# KiCad board helios-panel.kicad_pcb (continued)
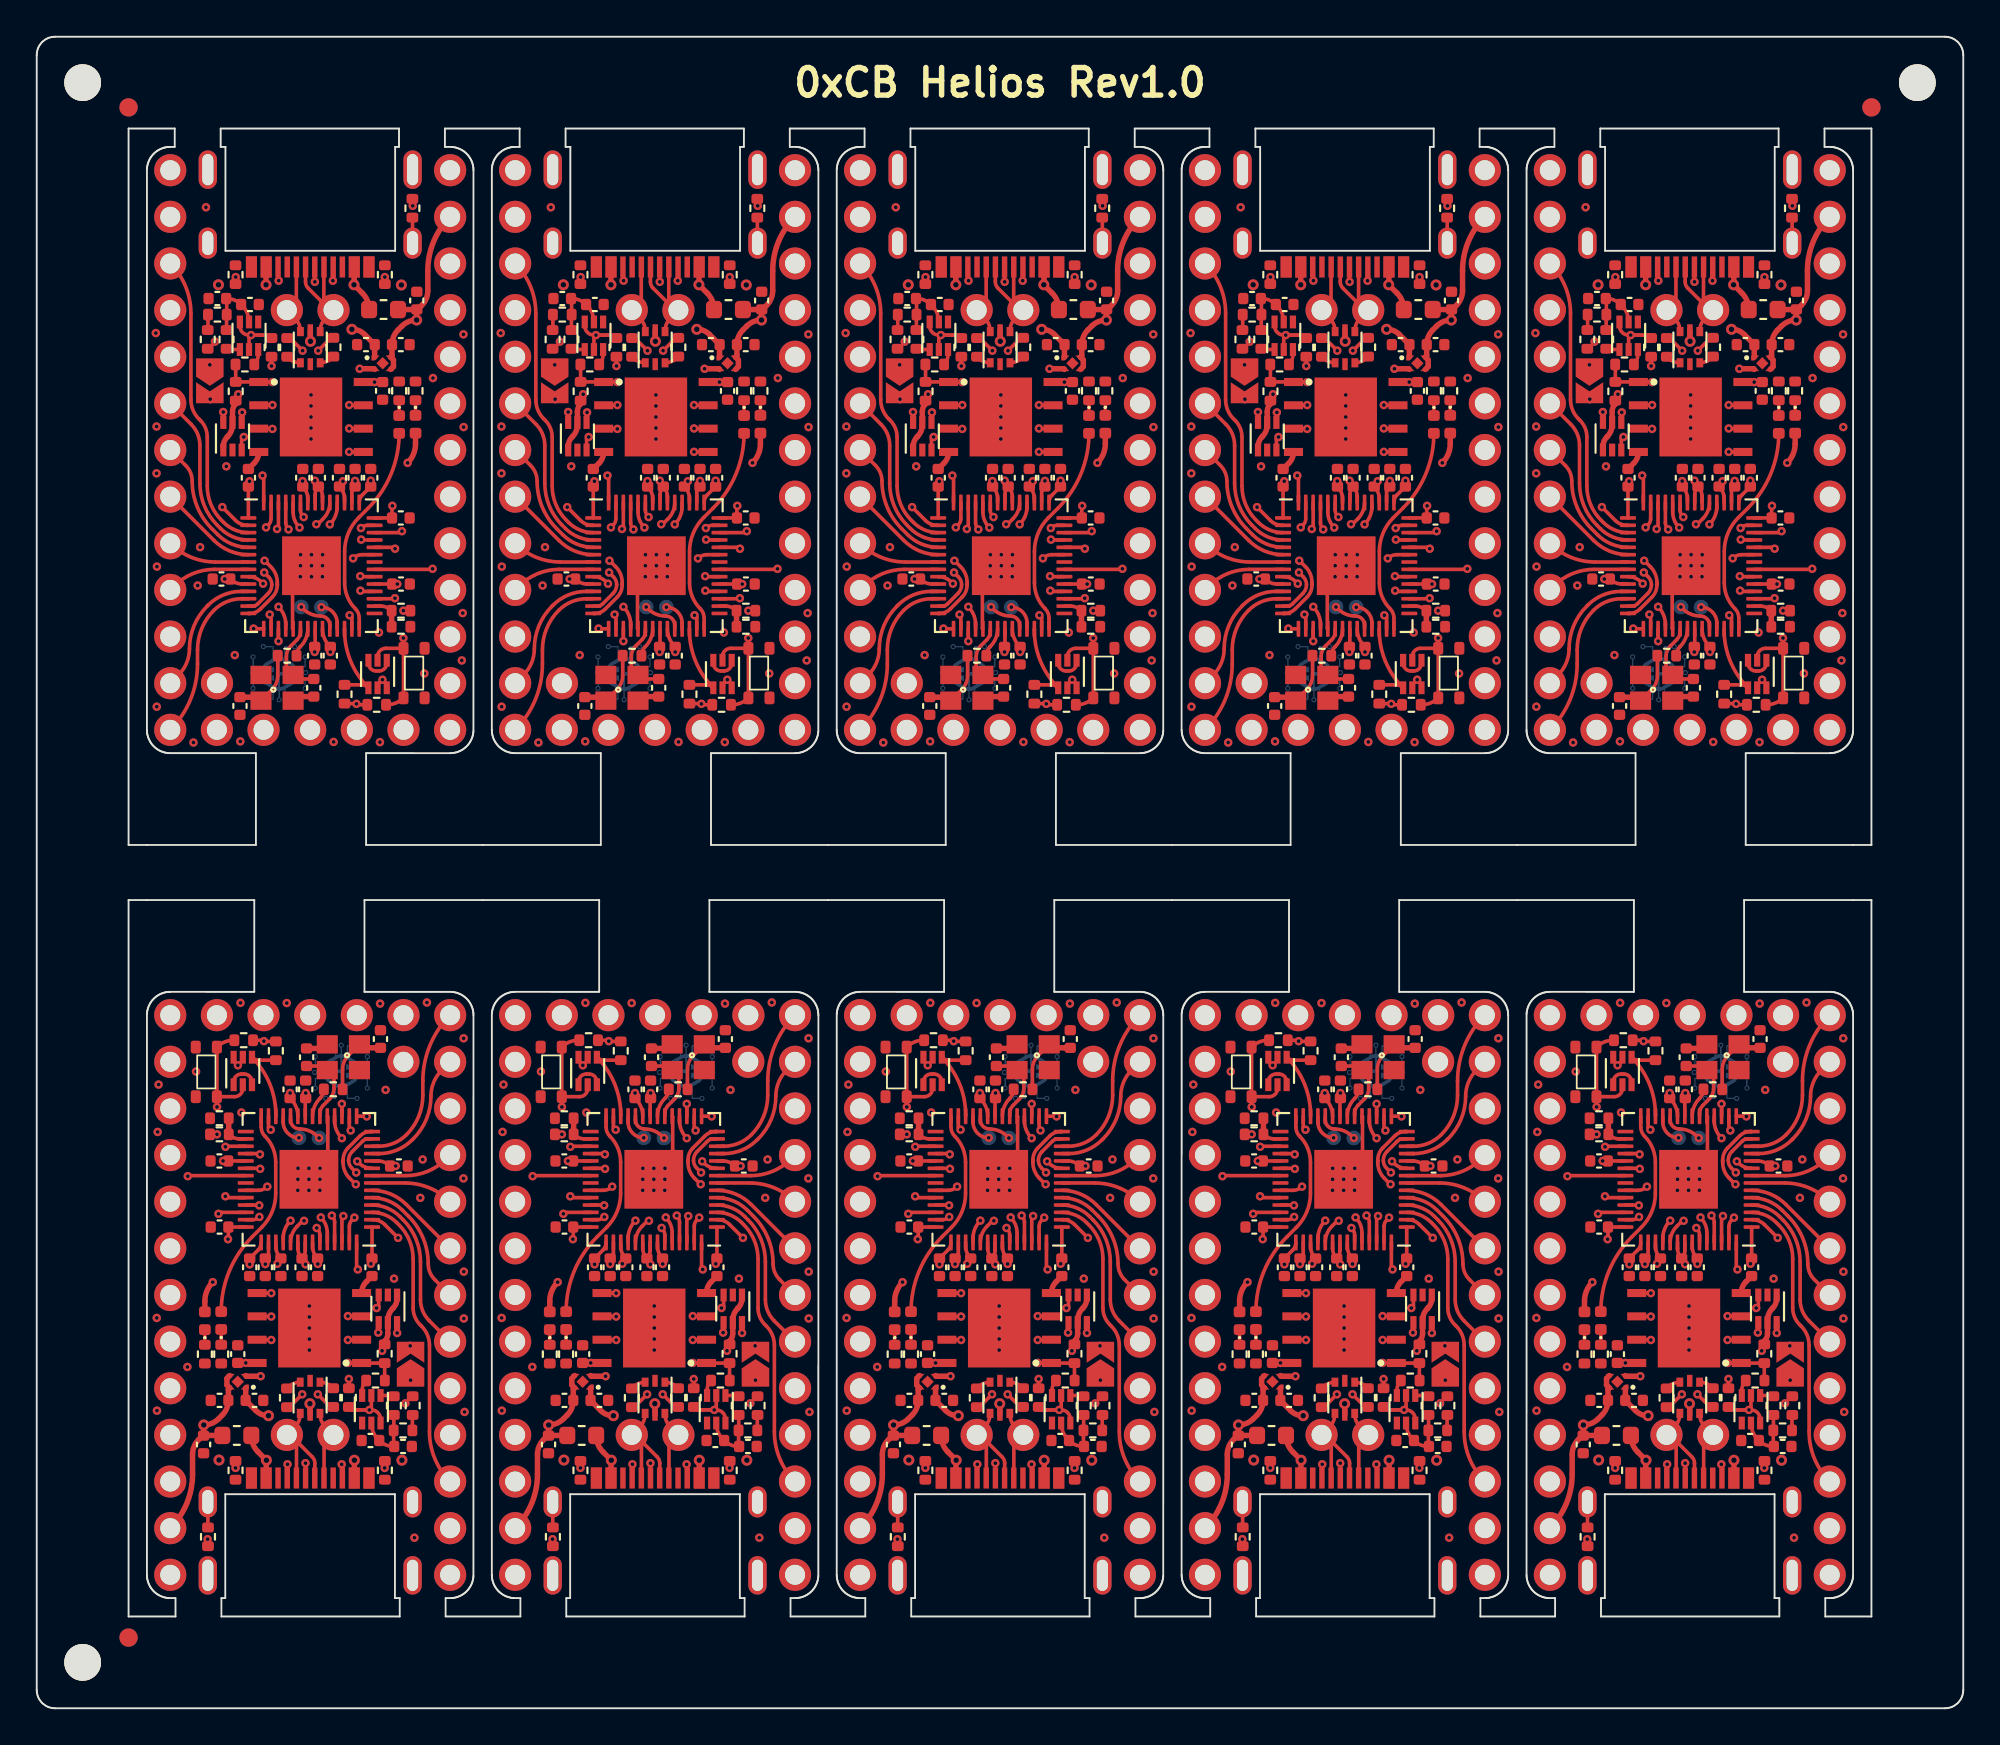
[diagram p0: board, top side]
## Copper pours and planes (outline as drawn; the poured copper is in the pictures) (continued)
Board_3-/PORT+ on In1.Cu: 71.21,77.38 71.06,77.24 70.92,77.15 70.79,77.09 70.67,77.06 70.54,77.05 70.41,77.05 70.28,77.05 70.13,77.05 69.97,77.04 69.78,77.01 69.61,75.88 70.74,75.76 70.82,75.94 70.87,76.1 70.91,76.25 70.96,76.52 70.99,76.65 71.03,76.79 71.1,76.93 71.21,77.07 71.35,77.24
Board_3-/PORT- on Top: 71.88,77.73 71.87,77.51 71.85,77.33 71.82,77.17 71.79,77.03 71.75,76.91 71.71,76.78 71.68,76.65 71.65,76.51 71.63,76.35 71.62,76.15 72.76,75.8 72.9,76.93 72.77,76.99 72.64,77.05 72.52,77.1 72.42,77.15 72.32,77.2 72.24,77.27 72.17,77.35 72.12,77.45 72.09,77.57 72.08,77.73
Board_3-/PORT- on Top: 71.1,77.22 71.25,77.06 71.35,76.91 71.42,76.77 71.47,76.64 71.5,76.51 71.55,76.23 71.59,76.08 71.64,75.92 71.72,75.74 72.85,75.89 72.66,77.01 72.48,77.04 72.32,77.04 72.17,77.04 72.04,77.04 71.91,77.04 71.78,77.05 71.66,77.08 71.53,77.14 71.39,77.23 71.24,77.36
Board_3-/PORT- on Top: 71.87,74.98 71.88,75.05 71.89,75.11 71.91,75.17 71.94,75.22 71.97,75.27 72,75.31 72.07,75.38 72.76,76.5 71.88,75.53 71.81,75.42 71.78,75.36 71.75,75.3 71.72,75.23 71.69,75.15 71.68,75.07 71.67,74.98
Board_3-/RESET on In2.Cu: 77.93,74.68 78.02,74.85 78.12,74.98 78.23,75.06 78.34,75.12 78.46,75.16 78.59,75.19 78.73,75.21 78.88,75.24 79.04,75.28 79.21,75.35 79.13,76.48 78,76.37 77.96,76.17 77.94,76 77.93,75.85 77.94,75.71 77.94,75.58 77.94,75.45 77.92,75.3 77.89,75.15 77.83,74.97 77.75,74.77
Board_3-/RGB_5V on In2.Cu: 66.44,57.57 66.34,57.37 66.24,57.21 66.14,57.09 66.04,56.98 65.94,56.89 65.84,56.8 65.74,56.7 65.63,56.59 65.53,56.46 65.41,56.29 66.11,55.39 66.98,56.12 66.91,56.29 66.83,56.43 66.75,56.56 66.68,56.68 66.61,56.79 66.56,56.9 66.53,57.02 66.52,57.16 66.55,57.31 66.62,57.49
Board_3-GND on Top, Bottom: 59.06,89.23 83.56,89.23 83.56,49.73 59.06,49.73
Board_3-Net-(C8-Pad2) on Top: 67.58,54.92 67.68,54.92 67.76,54.9 67.83,54.88 67.89,54.85 67.94,54.82 67.98,54.77 68.03,54.72 68.12,54.61 68.18,54.54 68.78,54.79 68.52,55.38 68.4,55.37 68.31,55.35 68.22,55.33 68.15,55.31 68.07,55.29 68,55.27 67.91,55.25 67.82,55.23 67.71,55.22 67.58,55.22
Board_3-Net-(C8-Pad2) on Top: 69.31,55.93 69.26,55.79 69.19,55.69 69.12,55.61 69.04,55.55 68.95,55.51 68.86,55.47 68.75,55.45 68.64,55.42 68.52,55.39 68.39,55.35 68.37,54.7 69.02,54.72 69.07,54.86 69.12,54.98 69.17,55.08 69.21,55.18 69.3,55.36 69.34,55.46 69.39,55.57 69.45,55.7 69.5,55.87
Board_3-Net-(FB1-Pad1) on Top: 76.7,80.79 76.69,80.68 76.68,80.58 76.66,80.5 76.62,80.43 76.59,80.37 76.54,80.31 76.5,80.25 76.45,80.18 76.4,80.11 76.35,80.01 76.81,79.55 77.25,80.02 77.2,80.11 77.15,80.19 77.1,80.26 77.06,80.31 77.01,80.37 76.98,80.43 76.95,80.5 76.92,80.58 76.91,80.68 76.9,80.79
Board_4-+3V3 on In1.Cu, In2.Cu: 76.84,88.23 101.34,88.23 101.34,48.73 76.84,48.73
Board_4-+5V on Top: 96.82,79.71 96.9,79.88 96.99,80.01 97.08,80.11 97.19,80.17 97.3,80.22 97.42,80.26 97.55,80.29 97.69,80.32 97.84,80.37 98,80.44 97.91,81.57 96.78,81.43 96.74,81.23 96.72,81.07 96.71,80.92 96.71,80.78 96.71,80.65 96.7,80.51 96.69,80.37 96.66,80.21 96.62,80.03 96.54,79.82
Board_4-/0_TX0 on In1.Cu: 83.2,79.65 83.11,79.82 83.05,79.98 83.03,80.12 83.03,80.26 83.06,80.38 83.1,80.51 83.14,80.65 83.19,80.8 83.23,80.96 83.26,81.15 82.24,81.64 81.78,80.6 81.93,80.46 82.07,80.36 82.2,80.28 82.44,80.14 82.55,80.06 82.67,79.97 82.79,79.86 82.91,79.72 83.04,79.54
Board_4-/1_RX0 on Top: 83.4,77.24 83.34,77.46 83.3,77.65 83.28,77.81 83.28,77.95 83.29,78.09 83.29,78.22 83.3,78.36 83.3,78.51 83.28,78.68 83.25,78.88 82.12,79.03 82.01,77.9 82.17,77.83 82.33,77.79 82.48,77.75 82.61,77.72 82.74,77.69 82.86,77.64 82.96,77.58 83.06,77.48 83.14,77.35 83.22,77.18
Board_4-/2_SDA1 on Top: 84.05,69.21 83.97,69.5 83.89,69.74 83.8,69.95 83.72,70.13 83.63,70.29 83.55,70.45 83.47,70.62 83.39,70.8 83.31,71.02 83.24,71.29 82.08,71.38 82.1,70.24 82.35,70.17 82.59,70.11 82.82,70.06 83.02,70.02 83.21,69.96 83.38,69.88 83.53,69.77 83.66,69.62 83.77,69.42 83.86,69.16
Board_4-/3_SCL1 on Top: 83.68,66.92 83.66,67.15 83.62,67.35 83.58,67.51 83.52,67.66 83.47,67.79 83.42,67.92 83.37,68.06 83.32,68.21 83.29,68.38 83.26,68.59 82.08,68.84 82.1,67.7 82.3,67.65 82.5,67.61 82.68,67.58 82.86,67.55 83.02,67.51 83.17,67.46 83.29,67.38 83.38,67.27 83.45,67.11 83.48,66.91
Board_4-/4 on Top: 83.7,64.83 83.56,64.98 83.46,65.12 83.4,65.26 83.36,65.39 83.34,65.51 83.33,65.65 83.32,65.78 83.3,65.93 83.27,66.1 83.22,66.28 82.08,66.3 82.1,65.16 82.28,65.11 82.45,65.08 82.6,65.06 82.73,65.05 82.87,65.04 82.99,65.02 83.12,64.98 83.26,64.92 83.4,64.82 83.55,64.68
Board_4-/5 on Top: 83.91,62.66 83.74,62.73 83.61,62.81 83.51,62.9 83.44,63 83.4,63.12 83.36,63.24 83.33,63.38 83.29,63.52 83.24,63.68 83.18,63.84 82.04,63.72 82.21,62.59 82.41,62.56 82.58,62.54 82.73,62.54 82.87,62.55 83,62.56 83.14,62.57 83.29,62.57 83.45,62.56 83.64,62.53 83.86,62.47
Board_4-/6 on Top: 83.8,61.97 83.59,61.91 83.4,61.87 83.24,61.85 83.1,61.84 82.97,61.84 82.83,61.84 82.7,61.83 82.55,61.82 82.38,61.8 82.18,61.76 82.05,60.63 83.19,60.55 83.25,60.71 83.29,60.87 83.32,61.02 83.35,61.16 83.37,61.3 83.41,61.42 83.47,61.53 83.56,61.62 83.69,61.71 83.87,61.78
Board_4-/7 on In2.Cu: 84.08,58.76 83.89,58.7 83.73,58.69 83.6,58.7 83.47,58.74 83.36,58.8 83.25,58.87 83.14,58.95 83.01,59.03 82.87,59.11 82.7,59.19 81.95,58.33 82.84,57.62 83,57.72 83.14,57.83 83.25,57.93 83.34,58.03 83.44,58.13 83.53,58.22 83.64,58.31 83.78,58.4 83.94,58.49 84.15,58.57
Board_4-/8 on Top: 83.29,57.28 83.23,57.1 83.15,56.97 83.06,56.88 82.95,56.83 82.82,56.79 82.69,56.77 82.54,56.75 82.39,56.73 82.22,56.7 82.05,56.64 82.1,55.5 83.24,55.63 83.28,55.83 83.31,55.99 83.33,56.14 83.34,56.27 83.37,56.53 83.38,56.67 83.4,56.83 83.43,57.01 83.48,57.23
Board_4-/9 on Top: 83.3,54.76 83.21,54.59 83.11,54.47 83,54.38 82.89,54.32 82.77,54.28 82.64,54.25 82.51,54.23 82.36,54.2 82.2,54.15 82.03,54.09 82.11,52.95 83.24,53.07 83.28,53.27 83.3,53.44 83.31,53.59 83.3,53.73 83.3,53.86 83.3,54 83.31,54.14 83.34,54.3 83.4,54.47 83.48,54.68
Board_4-/10 on In2.Cu: 83.44,82.35 83.36,82.56 83.32,82.74 83.3,82.9 83.29,83.04 83.29,83.18 83.3,83.31 83.3,83.45 83.3,83.6 83.28,83.77 83.24,83.97 82.11,84.11 82.02,82.98 82.18,82.91 82.34,82.86 82.49,82.83 82.62,82.8 82.75,82.77 82.87,82.73 82.98,82.67 83.08,82.57 83.17,82.45 83.25,82.27
Board_4-/11 on In1.Cu: 96.78,82.27 96.86,82.44 96.95,82.57 97.05,82.66 97.15,82.73 97.27,82.77 97.4,82.8 97.54,82.83 97.68,82.86 97.84,82.91 98,82.98 97.91,84.11 96.78,83.97 96.74,83.77 96.72,83.6 96.72,83.45 96.72,83.31 96.73,83.18 96.73,83.04 96.73,82.9 96.71,82.74 96.66,82.55 96.59,82.34
Board_4-/12 on In1.Cu: 85.91,54.73 85.8,54.56 85.69,54.44 85.58,54.36 85.46,54.31 85.34,54.27 85.21,54.25 85.07,54.23 84.92,54.2 84.76,54.16 84.59,54.1 84.64,52.96 85.77,53.06 85.82,53.25 85.84,53.42 85.85,53.57 85.85,53.84 85.86,53.97 85.88,54.11 85.92,54.26 85.98,54.43 86.09,54.63
Board_4-/13 on In1.Cu: 87.37,55.04 87.36,54.83 87.33,54.66 87.28,54.52 87.21,54.4 87.14,54.3 87.05,54.2 86.96,54.09 86.87,53.97 86.77,53.84 86.68,53.67 87.47,52.85 88.26,53.67 88.17,53.84 88.07,53.97 87.98,54.09 87.89,54.2 87.8,54.3 87.73,54.4 87.66,54.52 87.61,54.66 87.58,54.83 87.57,55.04
Board_4-/14 on In1.Cu: 88.88,54.65 88.98,54.45 89.04,54.28 89.07,54.12 89.09,53.98 89.1,53.85 89.09,53.72 89.09,53.58 89.1,53.43 89.12,53.26 89.16,53.06 90.3,52.96 90.36,54.09 90.19,54.16 90.03,54.2 89.88,54.23 89.74,54.25 89.61,54.27 89.49,54.31 89.38,54.37 89.27,54.45 89.16,54.58 89.06,54.74
Board_4-/15 on In1.Cu: 91.24,54.45 91.38,54.3 91.48,54.16 91.54,54.02 91.58,53.89 91.6,53.77 91.61,53.63 91.62,53.5 91.64,53.35 91.67,53.18 91.72,53 92.86,52.98 92.84,54.12 92.66,54.17 92.49,54.2 92.34,54.22 92.21,54.23 92.07,54.24 91.95,54.26 91.82,54.3 91.68,54.36 91.54,54.46 91.39,54.6
Board_4-/16 on In1.Cu: 93.8,54.51 93.93,54.34 94.02,54.18 94.08,54.04 94.11,53.9 94.13,53.77 94.14,53.64 94.15,53.5 94.17,53.36 94.21,53.19 94.26,53 95.4,52.98 95.38,54.12 95.2,54.17 95.03,54.2 94.88,54.21 94.74,54.22 94.61,54.24 94.48,54.26 94.35,54.3 94.23,54.37 94.1,54.48 93.96,54.63
Board_4-/20_SDI on In1.Cu: 96.32,59.53 96.46,59.38 96.56,59.24 96.62,59.1 96.66,58.97 96.68,58.85 96.69,58.71 96.7,58.58 96.72,58.43 96.75,58.26 96.8,58.08 97.94,58.06 97.92,59.2 97.74,59.25 97.57,59.28 97.42,59.3 97.29,59.31 97.15,59.32 97.03,59.34 96.9,59.38 96.76,59.44 96.62,59.54 96.47,59.68
Board_4-/21_CS on In1.Cu: 96.32,54.45 96.46,54.3 96.56,54.16 96.62,54.02 96.66,53.89 96.68,53.77 96.69,53.63 96.7,53.5 96.72,53.35 96.75,53.18 96.8,53 97.94,52.98 97.92,54.12 97.74,54.17 97.57,54.2 97.42,54.22 97.29,54.23 97.15,54.24 97.03,54.26 96.9,54.3 96.76,54.36 96.62,54.46 96.47,54.6
Board_4-/22_SCK on In1.Cu: 96.07,61.58 96.25,61.54 96.38,61.48 96.48,61.4 96.55,61.31 96.61,61.2 96.65,61.08 96.69,60.94 96.73,60.8 96.79,60.65 96.86,60.49 97.99,60.65 97.75,61.78 97.55,61.8 97.38,61.81 97.23,61.8 97.09,61.79 96.82,61.76 96.68,61.75 96.51,61.74 96.32,61.75 96.1,61.78
Board_4-/23_SDO on In2.Cu: 96.59,57.26 96.65,57.04 96.68,56.86 96.7,56.69 96.71,56.55 96.71,56.41 96.71,56.28 96.71,56.14 96.72,55.99 96.74,55.82 96.78,55.63 97.91,55.49 98,56.62 97.83,56.69 97.68,56.73 97.53,56.76 97.39,56.79 97.26,56.82 97.14,56.86 97.03,56.92 96.93,57.01 96.85,57.14 96.78,57.32
Board_4-/A0 on In1.Cu: 95.92,63.06 96.15,63.04 96.34,63.01 96.5,62.97 96.64,62.91 96.76,62.85 96.89,62.78 97.02,62.72 97.16,62.66 97.33,62.61 97.53,62.58 98.04,63.6 97.01,64.07 96.89,63.94 96.8,63.82 96.64,63.6 96.56,63.5 96.47,63.42 96.37,63.35 96.25,63.3 96.11,63.27 95.92,63.26
Board_4-/A1 on In1.Cu: 96.47,64.68 96.62,64.82 96.76,64.92 96.9,64.98 97.03,65.02 97.15,65.04 97.29,65.05 97.42,65.06 97.57,65.08 97.74,65.11 97.92,65.16 97.94,66.3 96.8,66.28 96.75,66.1 96.72,65.93 96.7,65.78 96.69,65.65 96.68,65.51 96.66,65.39 96.62,65.26 96.56,65.12 96.46,64.98 96.32,64.83
Board_4-/A2 on In1.Cu: 96.47,67.22 96.62,67.36 96.76,67.46 96.9,67.52 97.03,67.56 97.15,67.58 97.29,67.59 97.42,67.6 97.57,67.62 97.74,67.65 97.92,67.7 97.94,68.84 96.8,68.82 96.75,68.64 96.72,68.47 96.7,68.32 96.69,68.19 96.68,68.05 96.66,67.93 96.62,67.8 96.56,67.66 96.46,67.52 96.32,67.37
Board_4-/A3 on In1.Cu: 96.48,69.42 96.53,69.64 96.61,69.8 96.71,69.91 96.83,69.99 96.98,70.05 97.14,70.08 97.32,70.11 97.51,70.14 97.71,70.18 97.92,70.24 97.94,71.38 96.76,71.19 96.72,70.98 96.68,70.79 96.63,70.64 96.58,70.49 96.53,70.36 96.47,70.22 96.42,70.07 96.37,69.9 96.32,69.69 96.28,69.45
Board_4-/PORT+ on Top: 89.58,74.98 89.57,75.07 89.55,75.15 89.53,75.23 89.5,75.3 89.47,75.36 89.43,75.42 89.36,75.53 88.47,76.5 89.18,75.39 89.25,75.31 89.28,75.27 89.31,75.22 89.34,75.17 89.36,75.11 89.37,75.05 89.38,74.98
Board_4-/PORT+ on Top: 89.16,77.74 89.14,77.58 89.11,77.46 89.06,77.35 88.99,77.27 88.91,77.2 88.81,77.15 88.7,77.1 88.58,77.04 88.46,76.99 88.32,76.92 88.48,75.79 89.62,76.15 89.61,76.35 89.59,76.51 89.56,76.66 89.52,76.79 89.49,76.91 89.45,77.04 89.41,77.18 89.38,77.33 89.36,77.52 89.36,77.74
Board_4-/PORT+ on In1.Cu: 89.99,77.38 89.84,77.24 89.7,77.15 89.57,77.09 89.45,77.06 89.32,77.05 89.19,77.05 89.06,77.05 88.91,77.05 88.75,77.04 88.56,77.01 88.39,75.88 89.52,75.76 89.6,75.94 89.65,76.1 89.69,76.25 89.74,76.52 89.77,76.65 89.81,76.79 89.88,76.93 89.99,77.07 90.13,77.24
Board_4-/PORT- on Top: 90.66,77.73 90.65,77.51 90.63,77.33 90.6,77.17 90.57,77.03 90.53,76.91 90.49,76.78 90.46,76.65 90.43,76.51 90.41,76.35 90.4,76.15 91.54,75.8 91.68,76.93 91.55,76.99 91.42,77.05 91.3,77.1 91.2,77.15 91.1,77.2 91.02,77.27 90.95,77.35 90.9,77.45 90.87,77.57 90.86,77.73
Board_4-/PORT- on Top: 89.88,77.22 90.03,77.06 90.13,76.91 90.2,76.77 90.25,76.64 90.28,76.51 90.33,76.23 90.37,76.08 90.42,75.92 90.5,75.74 91.63,75.89 91.44,77.01 91.26,77.04 91.1,77.04 90.95,77.04 90.82,77.04 90.69,77.04 90.56,77.05 90.44,77.08 90.31,77.14 90.17,77.23 90.02,77.36
Board_4-/PORT- on Top: 90.65,74.98 90.66,75.05 90.67,75.11 90.69,75.17 90.72,75.22 90.75,75.27 90.78,75.31 90.85,75.38 91.54,76.5 90.66,75.53 90.59,75.42 90.56,75.36 90.53,75.3 90.5,75.23 90.47,75.15 90.46,75.07 90.45,74.98
Board_4-/RESET on In2.Cu: 96.71,74.68 96.8,74.85 96.9,74.98 97.01,75.06 97.12,75.12 97.24,75.16 97.37,75.19 97.51,75.21 97.66,75.24 97.82,75.28 97.99,75.35 97.91,76.48 96.78,76.37 96.74,76.17 96.72,76 96.71,75.85 96.72,75.71 96.72,75.58 96.72,75.45 96.7,75.3 96.67,75.15 96.61,74.97 96.53,74.77
Board_4-/RGB_5V on In2.Cu: 85.22,57.57 85.12,57.37 85.02,57.21 84.92,57.09 84.82,56.98 84.72,56.89 84.62,56.8 84.52,56.7 84.41,56.59 84.31,56.46 84.19,56.29 84.89,55.39 85.76,56.12 85.69,56.29 85.61,56.43 85.53,56.56 85.46,56.68 85.39,56.79 85.34,56.9 85.31,57.02 85.3,57.16 85.33,57.31 85.4,57.49
Board_4-GND on Top, Bottom: 77.84,89.23 102.34,89.23 102.34,49.73 77.84,49.73
Board_4-Net-(C8-Pad2) on Top: 86.36,54.92 86.46,54.92 86.54,54.9 86.61,54.88 86.67,54.85 86.72,54.82 86.76,54.77 86.81,54.72 86.9,54.61 86.96,54.54 87.56,54.79 87.3,55.38 87.18,55.37 87.09,55.35 87,55.33 86.93,55.31 86.85,55.29 86.78,55.27 86.69,55.25 86.6,55.23 86.49,55.22 86.36,55.22
Board_4-Net-(C8-Pad2) on Top: 88.09,55.93 88.04,55.79 87.97,55.69 87.9,55.61 87.82,55.55 87.73,55.51 87.64,55.47 87.53,55.45 87.42,55.42 87.3,55.39 87.17,55.35 87.15,54.7 87.8,54.72 87.85,54.86 87.9,54.98 87.95,55.08 87.99,55.18 88.08,55.36 88.12,55.46 88.17,55.57 88.23,55.7 88.28,55.87
Board_4-Net-(FB1-Pad1) on Top: 95.48,80.79 95.47,80.68 95.46,80.58 95.44,80.5 95.4,80.43 95.37,80.37 95.32,80.31 95.28,80.25 95.23,80.18 95.18,80.11 95.13,80.01 95.59,79.55 96.03,80.02 95.98,80.11 95.93,80.19 95.88,80.26 95.84,80.31 95.79,80.37 95.76,80.43 95.73,80.5 95.7,80.58 95.69,80.68 95.68,80.79
Board_5-+3V3 on In1.Cu, In2.Cu: 28.05,2.81 3.55,2.81 3.55,42.31 28.05,42.31
Board_5-+5V on Top: 8.08,11.33 8,11.16 7.91,11.03 7.82,10.93 7.71,10.87 7.6,10.82 7.48,10.78 7.35,10.75 7.21,10.72 7.06,10.67 6.9,10.6 6.99,9.47 8.12,9.61 8.16,9.81 8.18,9.97 8.19,10.12 8.19,10.26 8.19,10.39 8.2,10.53 8.21,10.67 8.24,10.83 8.28,11.01 8.36,11.22
Board_5-/0_TX0 on In1.Cu: 21.7,11.39 21.79,11.22 21.85,11.06 21.87,10.92 21.87,10.78 21.84,10.66 21.8,10.53 21.76,10.39 21.71,10.24 21.67,10.08 21.64,9.89 22.66,9.4 23.12,10.44 22.97,10.58 22.83,10.68 22.7,10.76 22.46,10.9 22.35,10.98 22.23,11.07 22.11,11.18 21.99,11.32 21.86,11.5
Board_5-/1_RX0 on Top: 21.5,13.8 21.56,13.58 21.6,13.39 21.62,13.23 21.62,13.09 21.61,12.95 21.61,12.82 21.6,12.68 21.6,12.53 21.62,12.36 21.65,12.16 22.78,12.01 22.89,13.14 22.73,13.21 22.57,13.25 22.42,13.29 22.29,13.32 22.16,13.35 22.04,13.4 21.94,13.46 21.84,13.56 21.76,13.69 21.68,13.86
Board_5-/2_SDA1 on Top: 20.85,21.83 20.93,21.54 21.01,21.3 21.1,21.09 21.18,20.91 21.27,20.75 21.35,20.59 21.43,20.42 21.51,20.24 21.59,20.02 21.66,19.75 22.82,19.66 22.8,20.8 22.55,20.87 22.31,20.93 22.08,20.98 21.88,21.02 21.69,21.08 21.52,21.16 21.37,21.27 21.24,21.42 21.13,21.62 21.04,21.88
Board_5-/3_SCL1 on Top: 21.22,24.12 21.24,23.89 21.28,23.69 21.32,23.53 21.38,23.38 21.43,23.25 21.48,23.12 21.53,22.98 21.58,22.83 21.61,22.66 21.64,22.45 22.82,22.2 22.8,23.34 22.6,23.39 22.4,23.43 22.22,23.46 22.04,23.49 21.88,23.53 21.73,23.58 21.61,23.66 21.52,23.77 21.45,23.93 21.42,24.13
Board_5-/4 on Top: 21.2,26.21 21.34,26.06 21.44,25.92 21.5,25.78 21.54,25.65 21.56,25.53 21.57,25.39 21.58,25.26 21.6,25.11 21.63,24.94 21.68,24.76 22.82,24.74 22.8,25.88 22.62,25.93 22.45,25.96 22.3,25.98 22.17,25.99 22.03,26 21.91,26.02 21.78,26.06 21.64,26.12 21.5,26.22 21.35,26.36
Board_5-/5 on Top: 20.99,28.38 21.16,28.31 21.29,28.23 21.39,28.14 21.46,28.04 21.5,27.92 21.54,27.8 21.57,27.66 21.61,27.52 21.66,27.36 21.72,27.2 22.86,27.32 22.69,28.45 22.49,28.48 22.32,28.5 22.17,28.5 22.03,28.49 21.9,28.48 21.76,28.47 21.61,28.47 21.45,28.48 21.26,28.51 21.04,28.57
Board_5-/6 on Top: 21.1,29.07 21.31,29.13 21.5,29.17 21.66,29.19 21.8,29.2 21.93,29.2 22.07,29.2 22.2,29.21 22.35,29.22 22.52,29.24 22.72,29.28 22.85,30.41 21.71,30.49 21.65,30.33 21.61,30.17 21.58,30.02 21.55,29.88 21.53,29.74 21.49,29.62 21.43,29.51 21.34,29.42 21.21,29.33 21.03,29.26
Board_5-/7 on In2.Cu: 20.82,32.28 21.01,32.34 21.17,32.35 21.3,32.34 21.43,32.3 21.54,32.24 21.65,32.17 21.76,32.09 21.89,32.01 22.03,31.93 22.2,31.85 22.95,32.71 22.06,33.42 21.9,33.32 21.76,33.21 21.65,33.11 21.56,33.01 21.46,32.91 21.37,32.82 21.26,32.73 21.12,32.64 20.96,32.55 20.75,32.47
Board_5-/8 on Top: 21.61,33.76 21.67,33.94 21.75,34.07 21.84,34.16 21.95,34.21 22.08,34.25 22.21,34.27 22.36,34.29 22.51,34.31 22.68,34.34 22.85,34.4 22.8,35.54 21.66,35.41 21.62,35.21 21.59,35.05 21.57,34.9 21.56,34.77 21.53,34.51 21.52,34.37 21.5,34.21 21.47,34.03 21.42,33.81
Board_5-/9 on Top: 21.6,36.28 21.69,36.45 21.79,36.57 21.9,36.66 22.01,36.72 22.13,36.76 22.26,36.79 22.39,36.81 22.54,36.84 22.7,36.89 22.87,36.95 22.79,38.09 21.66,37.97 21.62,37.77 21.6,37.6 21.59,37.45 21.6,37.31 21.6,37.18 21.6,37.04 21.59,36.9 21.56,36.74 21.5,36.57 21.42,36.36
Board_5-/10 on In2.Cu: 21.46,8.69 21.54,8.48 21.58,8.3 21.6,8.14 21.61,8 21.61,7.86 21.6,7.73 21.6,7.59 21.6,7.44 21.62,7.27 21.66,7.07 22.79,6.93 22.88,8.06 22.72,8.13 22.56,8.18 22.41,8.21 22.28,8.24 22.15,8.27 22.03,8.31 21.92,8.37 21.82,8.47 21.73,8.59 21.65,8.77
Board_5-/11 on In1.Cu: 8.12,8.77 8.04,8.6 7.95,8.47 7.85,8.38 7.75,8.31 7.63,8.27 7.5,8.24 7.36,8.21 7.22,8.18 7.06,8.13 6.9,8.06 6.99,6.93 8.12,7.07 8.16,7.27 8.18,7.44 8.18,7.59 8.18,7.73 8.17,7.86 8.17,8 8.17,8.14 8.19,8.3 8.24,8.49 8.31,8.7
Board_5-/12 on In1.Cu: 18.99,36.31 19.1,36.48 19.21,36.6 19.32,36.68 19.44,36.73 19.56,36.77 19.69,36.79 19.83,36.81 19.98,36.84 20.14,36.88 20.31,36.94 20.26,38.08 19.13,37.98 19.08,37.79 19.06,37.62 19.05,37.47 19.05,37.2 19.04,37.07 19.02,36.93 18.98,36.78 18.92,36.61 18.81,36.41
Board_5-/13 on In1.Cu: 17.53,36 17.54,36.21 17.57,36.38 17.62,36.52 17.69,36.64 17.76,36.74 17.85,36.84 17.94,36.95 18.03,37.07 18.13,37.2 18.22,37.37 17.43,38.19 16.64,37.37 16.73,37.2 16.83,37.07 16.92,36.95 17.01,36.84 17.1,36.74 17.17,36.64 17.24,36.52 17.29,36.38 17.32,36.21 17.33,36
Board_5-/14 on In1.Cu: 16.02,36.39 15.92,36.59 15.86,36.76 15.83,36.92 15.81,37.06 15.8,37.19 15.81,37.32 15.81,37.46 15.8,37.61 15.78,37.78 15.74,37.98 14.6,38.08 14.54,36.95 14.71,36.88 14.87,36.84 15.02,36.81 15.16,36.79 15.29,36.77 15.41,36.73 15.52,36.67 15.63,36.59 15.74,36.46 15.84,36.3
Board_5-/15 on In1.Cu: 13.66,36.59 13.52,36.74 13.42,36.88 13.36,37.02 13.32,37.15 13.3,37.27 13.29,37.41 13.28,37.54 13.26,37.69 13.23,37.86 13.18,38.04 12.04,38.06 12.06,36.92 12.24,36.87 12.41,36.84 12.56,36.82 12.69,36.81 12.83,36.8 12.95,36.78 13.08,36.74 13.22,36.68 13.36,36.58 13.51,36.44
Board_5-/16 on In1.Cu: 11.1,36.53 10.97,36.7 10.88,36.86 10.82,37 10.79,37.14 10.77,37.27 10.76,37.4 10.75,37.54 10.73,37.68 10.69,37.85 10.64,38.04 9.5,38.06 9.52,36.92 9.7,36.87 9.87,36.84 10.02,36.83 10.16,36.82 10.29,36.8 10.42,36.78 10.55,36.74 10.67,36.67 10.8,36.56 10.94,36.41
Board_5-/20_SDI on In1.Cu: 8.58,31.51 8.44,31.66 8.34,31.8 8.28,31.94 8.24,32.07 8.22,32.19 8.21,32.33 8.2,32.46 8.18,32.61 8.15,32.78 8.1,32.96 6.96,32.98 6.98,31.84 7.16,31.79 7.33,31.76 7.48,31.74 7.61,31.73 7.75,31.72 7.87,31.7 8,31.66 8.14,31.6 8.28,31.5 8.43,31.36
Board_5-/21_CS on In1.Cu: 8.58,36.59 8.44,36.74 8.34,36.88 8.28,37.02 8.24,37.15 8.22,37.27 8.21,37.41 8.2,37.54 8.18,37.69 8.15,37.86 8.1,38.04 6.96,38.06 6.98,36.92 7.16,36.87 7.33,36.84 7.48,36.82 7.61,36.81 7.75,36.8 7.87,36.78 8,36.74 8.14,36.68 8.28,36.58 8.43,36.44
Board_5-/22_SCK on In1.Cu: 8.83,29.46 8.65,29.5 8.52,29.56 8.42,29.64 8.35,29.73 8.29,29.84 8.25,29.96 8.21,30.1 8.17,30.24 8.11,30.39 8.04,30.55 6.91,30.39 7.15,29.26 7.35,29.24 7.52,29.23 7.67,29.24 7.81,29.25 8.08,29.28 8.22,29.29 8.39,29.3 8.58,29.29 8.8,29.26
Board_5-/23_SDO on In2.Cu: 8.31,33.78 8.25,34 8.22,34.18 8.2,34.35 8.19,34.49 8.19,34.63 8.19,34.76 8.19,34.9 8.18,35.05 8.16,35.22 8.12,35.41 6.99,35.55 6.9,34.42 7.07,34.35 7.22,34.31 7.37,34.28 7.51,34.25 7.64,34.22 7.76,34.18 7.87,34.12 7.97,34.03 8.05,33.9 8.12,33.72
Board_5-/A0 on In1.Cu: 8.98,27.98 8.75,28 8.56,28.03 8.4,28.07 8.26,28.13 8.14,28.19 8.01,28.26 7.88,28.32 7.74,28.38 7.57,28.43 7.37,28.46 6.86,27.44 7.89,26.97 8.01,27.1 8.1,27.22 8.26,27.44 8.34,27.54 8.43,27.62 8.53,27.69 8.65,27.74 8.79,27.77 8.98,27.79
Board_5-/A1 on In1.Cu: 8.43,26.36 8.28,26.22 8.14,26.12 8,26.06 7.87,26.02 7.75,26 7.61,25.99 7.48,25.98 7.33,25.96 7.16,25.93 6.98,25.88 6.96,24.74 8.1,24.76 8.15,24.94 8.18,25.11 8.2,25.26 8.21,25.39 8.22,25.53 8.24,25.65 8.28,25.78 8.34,25.92 8.44,26.06 8.58,26.21
Board_5-/A2 on In1.Cu: 8.43,23.82 8.28,23.68 8.14,23.58 8,23.52 7.87,23.48 7.75,23.46 7.61,23.45 7.48,23.44 7.33,23.42 7.16,23.39 6.98,23.34 6.96,22.2 8.1,22.22 8.15,22.4 8.18,22.57 8.2,22.72 8.21,22.85 8.22,22.99 8.24,23.11 8.28,23.24 8.34,23.38 8.44,23.52 8.58,23.67
Board_5-/A3 on In1.Cu: 8.42,21.62 8.37,21.4 8.29,21.24 8.19,21.13 8.07,21.05 7.92,20.99 7.76,20.96 7.58,20.93 7.39,20.9 7.19,20.86 6.98,20.8 6.96,19.66 8.14,19.85 8.18,20.06 8.22,20.25 8.27,20.4 8.32,20.55 8.37,20.68 8.43,20.82 8.48,20.97 8.53,21.14 8.58,21.35 8.62,21.59
Board_5-/PORT+ on Top: 15.32,16.06 15.33,15.97 15.35,15.89 15.37,15.81 15.4,15.74 15.43,15.68 15.47,15.62 15.54,15.51 16.43,14.54 15.72,15.65 15.65,15.73 15.62,15.77 15.59,15.82 15.56,15.87 15.54,15.93 15.53,15.99 15.52,16.06
Board_5-/PORT+ on Top: 15.75,13.3 15.76,13.46 15.79,13.58 15.84,13.69 15.91,13.77 15.99,13.84 16.09,13.89 16.2,13.94 16.32,14 16.44,14.05 16.58,14.12 16.42,15.25 15.28,14.89 15.29,14.69 15.31,14.53 15.34,14.38 15.38,14.25 15.41,14.13 15.45,14 15.49,13.86 15.52,13.71 15.54,13.52 15.55,13.3
Board_5-/PORT+ on In1.Cu: 14.91,13.66 15.06,13.8 15.2,13.89 15.33,13.95 15.45,13.98 15.58,13.99 15.71,13.99 15.84,13.99 15.99,13.99 16.15,14 16.34,14.03 16.51,15.16 15.38,15.28 15.3,15.1 15.25,14.94 15.21,14.79 15.16,14.52 15.13,14.39 15.09,14.25 15.02,14.11 14.91,13.97 14.77,13.8
Board_5-/PORT- on Top: 14.25,13.31 14.25,13.53 14.27,13.71 14.3,13.87 14.33,14.01 14.37,14.13 14.41,14.26 14.44,14.39 14.47,14.53 14.49,14.69 14.5,14.89 13.36,15.24 13.22,14.11 13.35,14.05 13.48,13.99 13.6,13.94 13.7,13.89 13.8,13.84 13.88,13.77 13.95,13.69 14,13.59 14.03,13.47 14.05,13.31
Board_5-/PORT- on Top: 15.02,13.82 14.87,13.98 14.77,14.13 14.7,14.27 14.65,14.4 14.62,14.53 14.57,14.81 14.53,14.96 14.48,15.12 14.4,15.3 13.27,15.15 13.46,14.03 13.64,14 13.8,14 13.95,14 14.08,14 14.21,14 14.34,13.99 14.46,13.96 14.59,13.9 14.73,13.81 14.88,13.68
Board_5-/PORT- on Top: 14.25,16.06 14.24,15.99 14.23,15.93 14.21,15.87 14.18,15.82 14.15,15.77 14.12,15.73 14.05,15.66 13.36,14.54 14.24,15.51 14.31,15.62 14.34,15.68 14.37,15.74 14.4,15.81 14.43,15.89 14.44,15.97 14.45,16.06
Board_5-/RESET on In2.Cu: 8.19,16.36 8.1,16.19 8,16.06 7.89,15.98 7.78,15.92 7.66,15.88 7.53,15.85 7.39,15.83 7.24,15.8 7.08,15.76 6.91,15.69 6.99,14.56 8.12,14.67 8.16,14.87 8.18,15.04 8.19,15.19 8.18,15.33 8.18,15.46 8.18,15.59 8.2,15.74 8.23,15.89 8.29,16.07 8.37,16.27
Board_5-/RGB_5V on In2.Cu: 19.68,33.47 19.78,33.67 19.88,33.83 19.98,33.95 20.08,34.06 20.18,34.15 20.28,34.24 20.38,34.34 20.49,34.45 20.59,34.58 20.71,34.75 20.01,35.65 19.14,34.92 19.21,34.75 19.29,34.61 19.37,34.48 19.44,34.36 19.51,34.25 19.56,34.14 19.59,34.02 19.6,33.88 19.57,33.73 19.5,33.55
Board_5-GND on Top, Bottom: 27.05,1.81 2.55,1.81 2.55,41.31 27.05,41.31
Board_5-Net-(C8-Pad2) on Top: 18.54,36.12 18.44,36.12 18.36,36.14 18.29,36.16 18.23,36.19 18.18,36.22 18.14,36.27 18.09,36.32 18,36.43 17.94,36.5 17.34,36.25 17.6,35.66 17.72,35.67 17.81,35.69 17.9,35.71 17.97,35.73 18.05,35.75 18.12,35.77 18.21,35.79 18.3,35.81 18.41,35.82 18.54,35.82
Board_5-Net-(C8-Pad2) on Top: 16.81,35.11 16.86,35.25 16.93,35.35 17,35.43 17.08,35.49 17.17,35.53 17.26,35.57 17.37,35.59 17.48,35.62 17.6,35.65 17.73,35.69 17.75,36.34 17.1,36.32 17.05,36.18 17,36.06 16.95,35.96 16.91,35.86 16.82,35.68 16.78,35.58 16.73,35.47 16.67,35.34 16.62,35.17
Board_5-Net-(FB1-Pad1) on Top: 9.42,10.25 9.43,10.36 9.44,10.46 9.46,10.54 9.5,10.61 9.53,10.67 9.58,10.73 9.62,10.79 9.67,10.86 9.72,10.93 9.77,11.03 9.31,11.49 8.87,11.02 8.92,10.93 8.97,10.85 9.02,10.78 9.06,10.73 9.11,10.67 9.14,10.61 9.17,10.54 9.2,10.46 9.21,10.36 9.22,10.25
Board_6-+3V3 on In1.Cu, In2.Cu: 46.84,2.81 22.34,2.81 22.34,42.31 46.84,42.31
Board_6-+5V on Top: 26.86,11.33 26.78,11.16 26.69,11.03 26.6,10.93 26.49,10.87 26.38,10.82 26.26,10.78 26.13,10.75 25.99,10.72 25.84,10.67 25.68,10.6 25.77,9.47 26.9,9.61 26.94,9.81 26.96,9.97 26.97,10.12 26.97,10.26 26.97,10.39 26.98,10.53 26.99,10.67 27.02,10.83 27.06,11.01 27.14,11.22
Board_6-/0_TX0 on In1.Cu: 40.48,11.39 40.57,11.22 40.63,11.06 40.65,10.92 40.65,10.78 40.62,10.66 40.58,10.53 40.54,10.39 40.49,10.24 40.45,10.08 40.42,9.89 41.44,9.4 41.9,10.44 41.75,10.58 41.61,10.68 41.48,10.76 41.24,10.9 41.13,10.98 41.01,11.07 40.89,11.18 40.77,11.32 40.64,11.5
Board_6-/1_RX0 on Top: 40.28,13.8 40.34,13.58 40.38,13.39 40.4,13.23 40.4,13.09 40.39,12.95 40.39,12.82 40.38,12.68 40.38,12.53 40.4,12.36 40.43,12.16 41.56,12.01 41.67,13.14 41.51,13.21 41.35,13.25 41.2,13.29 41.07,13.32 40.94,13.35 40.82,13.4 40.72,13.46 40.62,13.56 40.54,13.69 40.46,13.86
